# Altium PCB thermal_cam_sensor_jlc.PcbDoc (part 1 of 5) (continued)
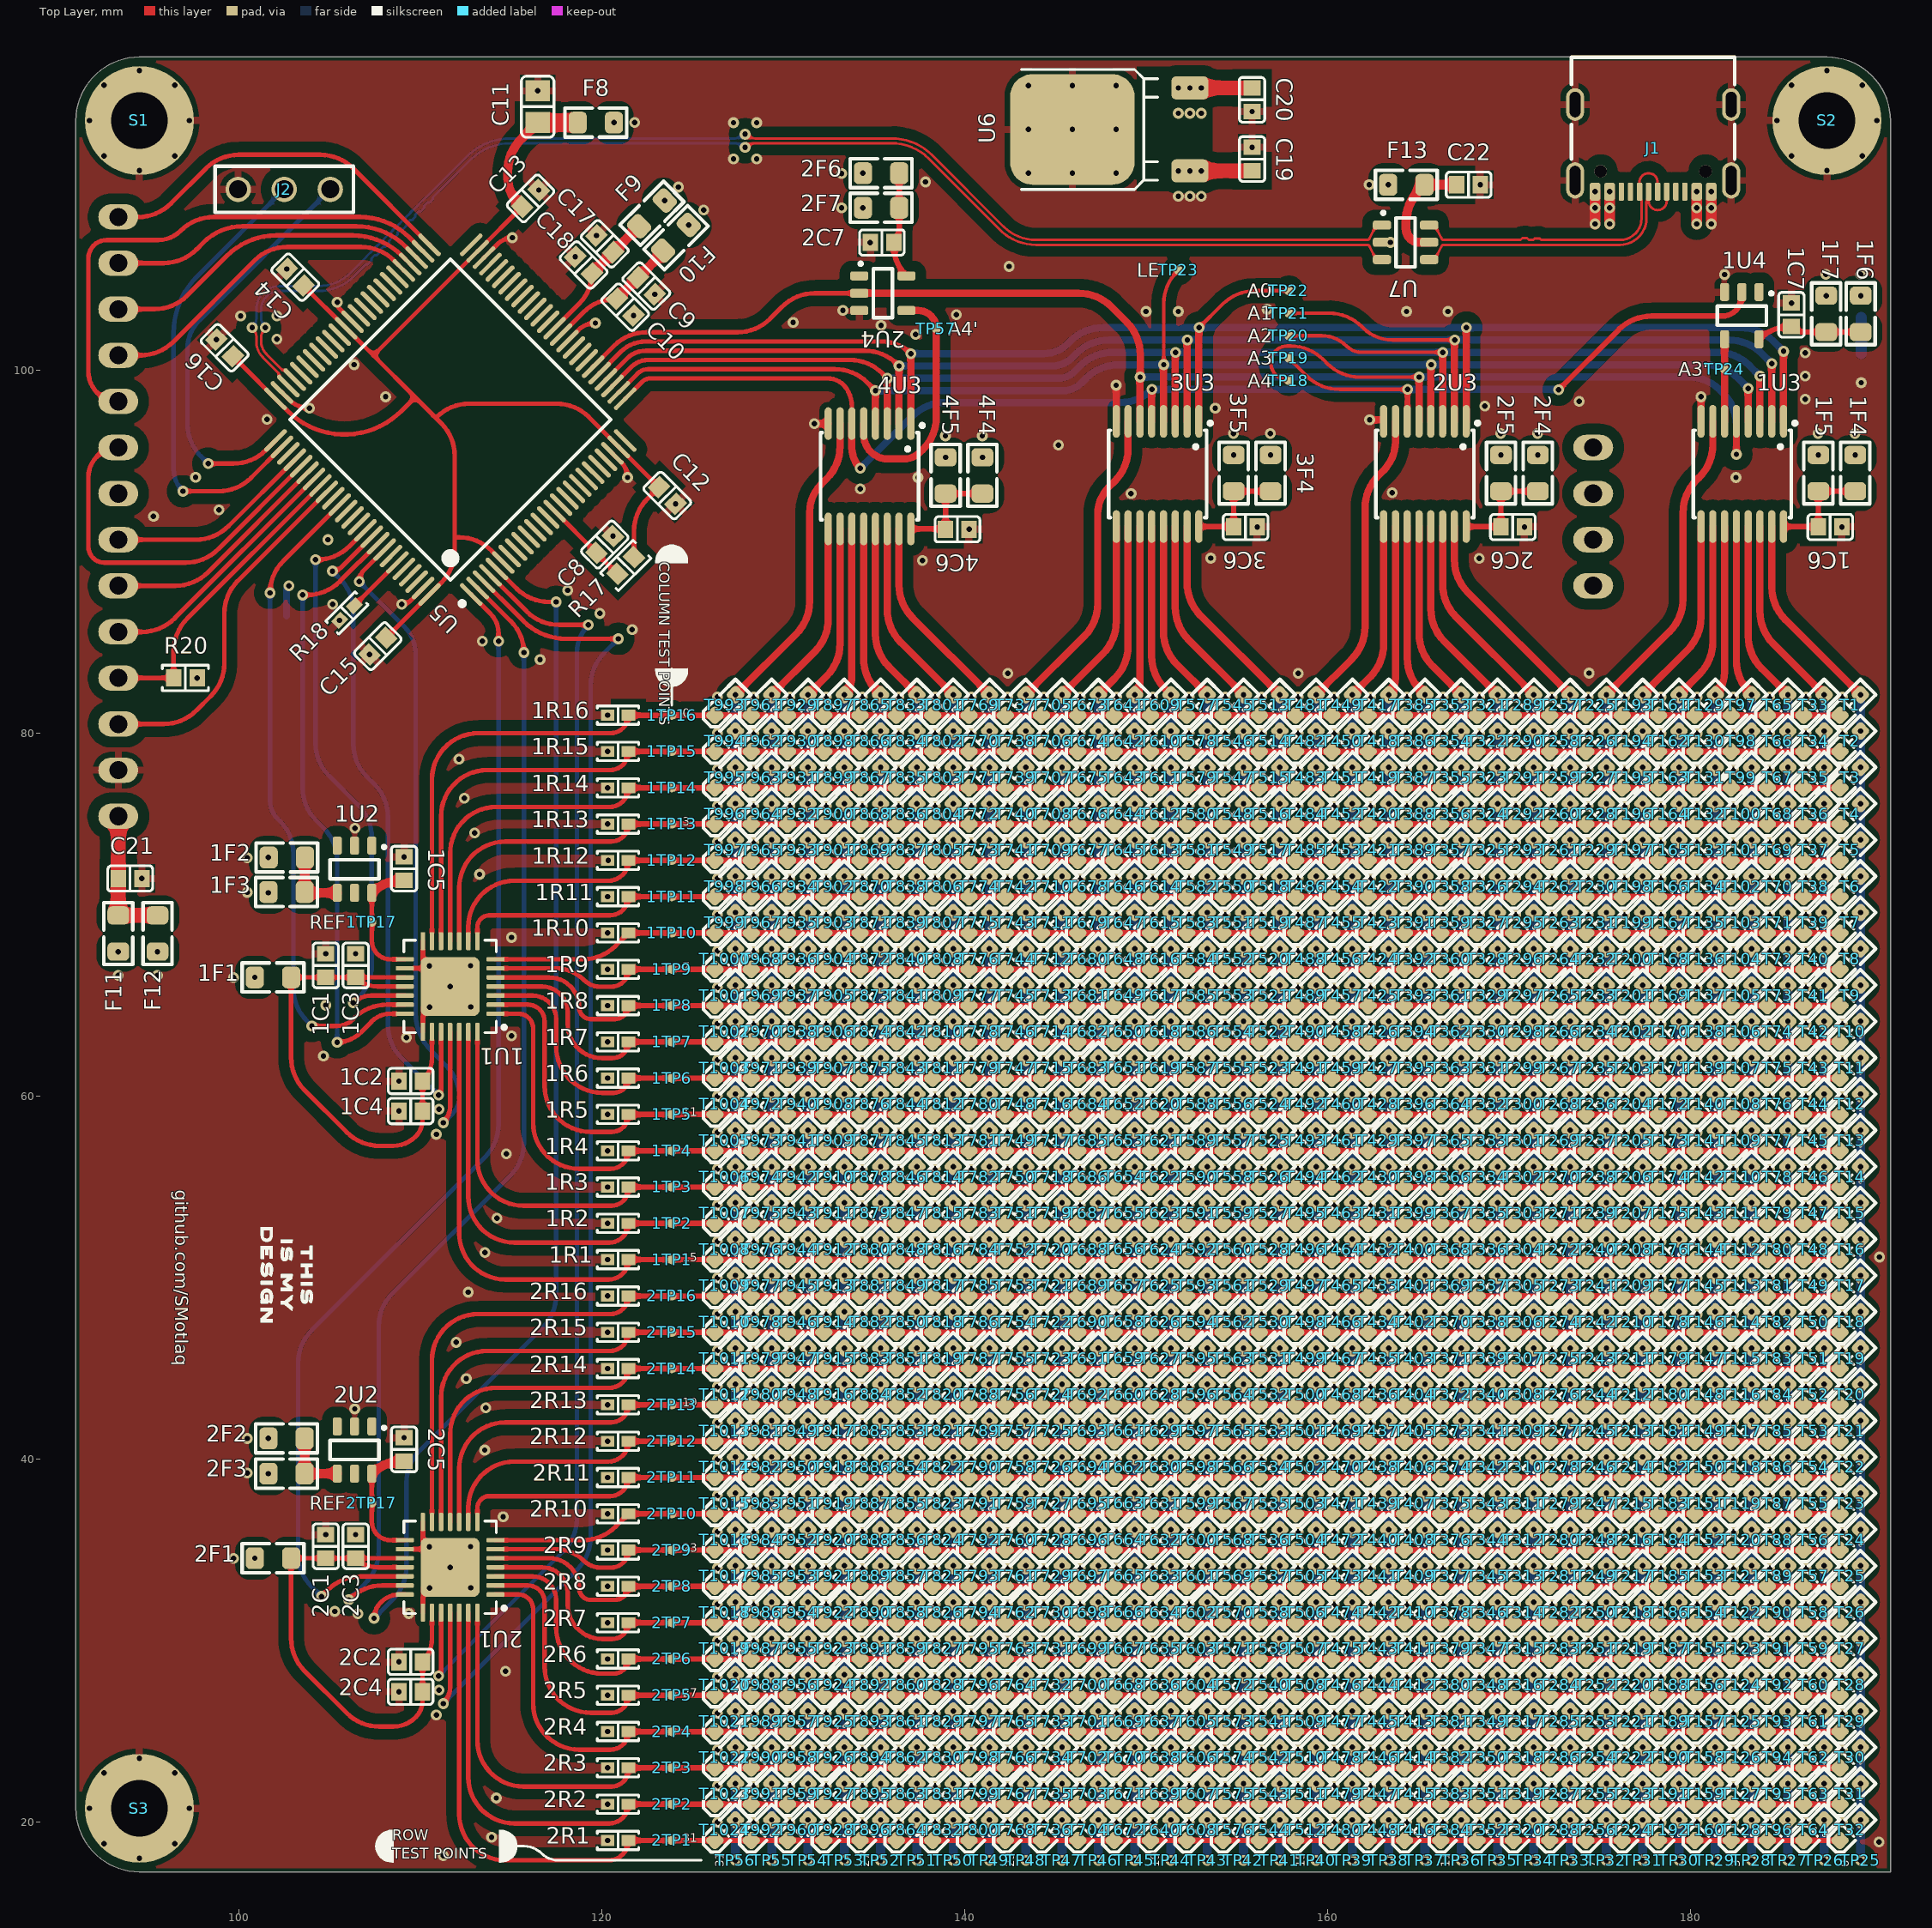
[diagram p0: Top Layer view]
## Components (designator, comment, footprint, x,y, rotation, side; value= is the part's Value field where it differs from the comment) (continued)
1U3 "SN74HCS237PWR" TSSOP-16 182.844,94.298 r270 top (schematic designator U3)
1U4 "SN74AHC1G04DBVR" SOT23-5L 183.769,104.323 r180 top (schematic designator U4)
2C1 "100nF" "CAP 0603_1608" 104.775,35.206 r270 top (schematic designator C1)
2C2 "100nF" "CAP 0603_1608" 109.459,28.841 r0 top (schematic designator C2)
2C3 "10uF" "CAP 0603_1608" 106.426,35.206 r270 top (schematic designator C3)
2C4 "10uF" "CAP 0603_1608" 109.459,27.19 r0 top (schematic designator C4)
2C5 "100nF" "CAP 0603_1608" 109.093,40.544 r270 top (schematic designator C5)
2C6 "100nF" "CAP 0603_1608" 170.195,91.377 r180 top (schematic designator C6)
2C7 "100nF" "CAP 0603_1608" 135.434,107.051 r0 top (schematic designator C7)
2F1 "121@100MHz" Ferrite-0805 101.87,34.556 r0 top (schematic designator F1)
2F2 "121@100MHz" Ferrite-0805 102.616,41.16 r180 top (schematic designator F2)
2F3 "121@100MHz" Ferrite-0805 102.616,39.214 r180 top (schematic designator F3)
2F4 "121@100MHz" Ferrite-0805 171.577,94.345 r270 top (schematic designator F4)
2F5 "121@100MHz" Ferrite-0805 169.545,94.345 r270 top (schematic designator F5)
2F6 "121@100MHz" Ferrite-0805 135.382,110.871 r0 top (schematic designator F6)
2F7 "121@100MHz" Ferrite-0805 135.382,108.966 r0 top (schematic designator F7)
2R1 "162" "RES 0402_1005" 120.887,19.002 r180 top (schematic designator R1)
2R2 "162" "RES 0402_1005" 120.887,21.002 r180 top (schematic designator R2)
2R3 "162" "RES 0402_1005" 120.887,23.002 r180 top (schematic designator R3)
2R4 "162" "RES 0402_1005" 120.887,25.002 r180 top (schematic designator R4)
2R5 "162" "RES 0402_1005" 120.887,27.002 r180 top (schematic designator R5)
2R6 "162" "RES 0402_1005" 120.887,29.002 r180 top (schematic designator R6)
2R7 "162" "RES 0402_1005" 120.887,31.002 r180 top (schematic designator R7)
2R8 "162" "RES 0402_1005" 120.887,33.002 r180 top (schematic designator R8)
2R9 "162" "RES 0402_1005" 120.887,35.002 r0 top (schematic designator R9)
2R10 "162" "RES 0402_1005" 120.887,37.002 r0 top (schematic designator R10)
2R11 "162" "RES 0402_1005" 120.887,39.002 r0 top (schematic designator R11)
2R12 "162" "RES 0402_1005" 120.887,41.002 r0 top (schematic designator R12)
2R13 "162" "RES 0402_1005" 120.887,43.002 r0 top (schematic designator R13)
2R14 "162" "RES 0402_1005" 120.887,45.002 r0 top (schematic designator R14)
2R15 "162" "RES 0402_1005" 120.887,47.002 r0 top (schematic designator R15)
2R16 "162" "RES 0402_1005" 120.887,49.002 r0 top (schematic designator R16)
2TP1 "Test Point" TEST_POINT_0R5#1 123.846,19.002 r180 top (schematic designator TP1)
2TP2 "Test Point" TEST_POINT_0R5#1 123.846,21.002 r180 top (schematic designator TP2)
2TP3 "Test Point" TEST_POINT_0R5#1 123.846,23.002 r180 top (schematic designator TP3)
2TP4 "Test Point" TEST_POINT_0R5#1 123.846,25.002 r180 top (schematic designator TP4)
2TP5 "Test Point" TEST_POINT_0R5#1 123.846,27.002 r180 top (schematic designator TP5)
2TP6 "Test Point" TEST_POINT_0R5#1 123.846,29.002 r180 top (schematic designator TP6)
2TP7 "Test Point" TEST_POINT_0R5#1 123.846,31.002 r180 top (schematic designator TP7)
2TP8 "Test Point" TEST_POINT_0R5#1 123.846,33.002 r180 top (schematic designator TP8)
2TP9 "Test Point" TEST_POINT_0R5#1 123.846,35.002 r180 top (schematic designator TP9)
2TP10 "Test Point" TEST_POINT_0R5#1 123.846,37.002 r180 top (schematic designator TP10)
2TP11 "Test Point" TEST_POINT_0R5#1 123.846,39.002 r180 top (schematic designator TP11)
2TP12 "Test Point" TEST_POINT_0R5#1 123.846,41.002 r180 top (schematic designator TP12)
2TP13 "Test Point" TEST_POINT_0R5#1 123.846,43.002 r180 top (schematic designator TP13)
2TP14 "Test Point" TEST_POINT_0R5#1 123.846,45.002 r180 top (schematic designator TP14)
2TP15 "Test Point" TEST_POINT_0R5#1 123.846,47.002 r180 top (schematic designator TP15)
2TP16 "Test Point" TEST_POINT_0R5#1 123.846,49.002 r180 top (schematic designator TP16)
2TP17 "Test Point" TEST_POINT_0R5#1 107.315,37.592 r0 top (schematic designator TP17)
2U1 "MAX11131ATI+" TQFN-28 111.633,34.052 r180 top (schematic designator U1)
2U2 "REF34xx" SOT23-6L 107.315,41.814 r180 top (schematic designator U2)
2U3 "SN74HCS237PWR" TSSOP-16 165.354,94.298 r270 top (schematic designator U3)
2U4 "SN74AHC1G04DBVR" SOT23-5L 134.179,105.207 r270 top (schematic designator U4)
3C6 "100nF" "CAP 0603_1608" 155.463,91.377 r180 top (schematic designator C6)
3F4 "121@100MHz" Ferrite-0805 156.845,94.345 r270 top (schematic designator F4)
3F5 "121@100MHz" Ferrite-0805 154.813,94.345 r270 top (schematic designator F5)
3U3 "SN74HCS237PWR" TSSOP-16 150.622,94.298 r270 top (schematic designator U3)
4C6 "100nF" "CAP 0603_1608" 139.588,91.25 r180 top (schematic designator C6)
4F4 "121@100MHz" Ferrite-0805 140.97,94.218 r270 top (schematic designator F4)
4F5 "121@100MHz" Ferrite-0805 138.938,94.218 r270 top (schematic designator F5)
4U3 "SN74HCS237PWR" TSSOP-16 134.747,94.171 r270 top (schematic designator U3)
C8 "1uF" "CAP 0603_1608" 120.15,90.412 r225 top
C9 "100nF" "CAP 0603_1608" 122.447,104.66 r135 top
C10 "1uF" "CAP 0603_1608" 121.28,103.493 r135 top
C11 "4.7uF" "CAP 0805_2012" 116.459,114.54 r270 top
C12 "100nF" "CAP 0603_1608" 123.601,93.113 r135 top
C13 "100nF" "CAP 0603_1608" 116.06,109.484 r225 top
C14 "100nF" "CAP 0603_1608" 103.093,105.135 r315 top
C15 "100nF" "CAP 0603_1608" 107.65,84.81 r45 top
C16 "100nF" "CAP 0603_1608" 99.204,101.246 r315 top
C17 "10nF" "CAP 0603_1608" 120.153,106.977 r315 top
C18 "1uF" "CAP 0603_1608" 118.985,105.809 r315 top
C19 "100nF" "CAP 0603_1608" 155.829,111.648 r270 top
C20 "220nF" "CAP 0603_1608" 155.829,114.92 r90 top
C21 "100nF" "CAP 0603_1608" 93.995,72.009 r180 top
C22 "100nF" "CAP 0603_1608" 167.758,110.236 r180 top
F8 "121@100MHz" Ferrite-0805 119.661,113.658 r0 top
F9 "121@100MHz" Ferrite-0805 122.754,108.657 r45 top
F10 "121@100MHz" Ferrite-0805 124.079,107.315 r45 top
F11 "121@100MHz" Ferrite-0805 93.345,68.977 r90 top
F12 "121@100MHz" Ferrite-0805 95.504,68.977 r90 top
F13 "121@100MHz" Ferrite-0805 164.33,110.236 r0 top
J1 "USB4105" USBC_SMD_16_USB4105 177.931,109.855 r0 top
J2 "HDRM3" HDRR_M_1X3 102.489,109.982 r180 top
LCD1 "TFT-LCD-TOUCH" "TFT-2.8\"-NO-SCREWS" 93.345,91.948 r0 bottom locked
LED1 "LED SMD 0603 GREEN" LED_0603_GREEN 189.4,100.129 r270 bottom
R17 "10K" "RES 0603_1608" 121.309,89.253 r45 top
R18 "10K" "RES 0402_1005" 105.944,86.64 r225 top
R19 "10K" "RES 0603_1608" 189.4,103.573 r270 bottom
R20 "10K" "RES 0603_1608" 97.043,83.058 r0 top
S1 "Screw" M3 94.508,113.772 r0 top
S2 "Screw" M3 187.508,113.772 r0 top
S3 "Screw" M3 94.508,20.772 r0 top
T1 "B19H1PT--H9C000214U1930" LED0603W 188.791,81.568 r225 top
T2 "B19H1PT--H9C000214U1930" LED0603W 188.791,79.568 r225 top
T3 "B19H1PT--H9C000214U1930" LED0603W 188.791,77.568 r225 top
T4 "B19H1PT--H9C000214U1930" LED0603W 188.791,75.568 r225 top
T5 "B19H1PT--H9C000214U1930" LED0603W 188.791,73.568 r225 top
T6 "B19H1PT--H9C000214U1930" LED0603W 188.791,71.568 r225 top
T7 "B19H1PT--H9C000214U1930" LED0603W 188.791,69.568 r225 top
T8 "B19H1PT--H9C000214U1930" LED0603W 188.791,67.568 r225 top
T9 "B19H1PT--H9C000214U1930" LED0603W 188.791,65.568 r225 top
T10 "B19H1PT--H9C000214U1930" LED0603W 188.791,63.568 r225 top
T11 "B19H1PT--H9C000214U1930" LED0603W 188.791,61.568 r225 top
T12 "B19H1PT--H9C000214U1930" LED0603W 188.791,59.568 r225 top
T13 "B19H1PT--H9C000214U1930" LED0603W 188.791,57.568 r225 top
T14 "B19H1PT--H9C000214U1930" LED0603W 188.791,55.568 r225 top
T15 "B19H1PT--H9C000214U1930" LED0603W 188.791,53.568 r225 top
T16 "B19H1PT--H9C000214U1930" LED0603W 188.791,51.568 r225 top
T17 "B19H1PT--H9C000214U1930" LED0603W 188.791,49.568 r225 top
T18 "B19H1PT--H9C000214U1930" LED0603W 188.791,47.568 r225 top
T19 "B19H1PT--H9C000214U1930" LED0603W 188.791,45.568 r225 top
T20 "B19H1PT--H9C000214U1930" LED0603W 188.791,43.568 r225 top
T21 "B19H1PT--H9C000214U1930" LED0603W 188.791,41.568 r225 top
T22 "B19H1PT--H9C000214U1930" LED0603W 188.791,39.568 r225 top
T23 "B19H1PT--H9C000214U1930" LED0603W 188.791,37.568 r225 top
T24 "B19H1PT--H9C000214U1930" LED0603W 188.791,35.568 r225 top
T25 "B19H1PT--H9C000214U1930" LED0603W 188.791,33.568 r225 top
T26 "B19H1PT--H9C000214U1930" LED0603W 188.791,31.568 r225 top
T27 "B19H1PT--H9C000214U1930" LED0603W 188.791,29.568 r225 top
T28 "B19H1PT--H9C000214U1930" LED0603W 188.791,27.568 r225 top
T29 "B19H1PT--H9C000214U1930" LED0603W 188.791,25.568 r225 top
T30 "B19H1PT--H9C000214U1930" LED0603W 188.791,23.568 r225 top
T31 "B19H1PT--H9C000214U1930" LED0603W 188.791,21.568 r225 top
T32 "B19H1PT--H9C000214U1930" LED0603W 188.791,19.568 r225 top
T33 "B19H1PT--H9C000214U1930" LED0603W 186.791,81.568 r225 top
T34 "B19H1PT--H9C000214U1930" LED0603W 186.791,79.568 r225 top
T35 "B19H1PT--H9C000214U1930" LED0603W 186.791,77.568 r225 top
T36 "B19H1PT--H9C000214U1930" LED0603W 186.791,75.568 r225 top
T37 "B19H1PT--H9C000214U1930" LED0603W 186.791,73.568 r225 top
T38 "B19H1PT--H9C000214U1930" LED0603W 186.791,71.568 r225 top
T39 "B19H1PT--H9C000214U1930" LED0603W 186.791,69.568 r225 top
T40 "B19H1PT--H9C000214U1930" LED0603W 186.791,67.568 r225 top
T41 "B19H1PT--H9C000214U1930" LED0603W 186.791,65.568 r225 top
T42 "B19H1PT--H9C000214U1930" LED0603W 186.791,63.568 r225 top
T43 "B19H1PT--H9C000214U1930" LED0603W 186.791,61.568 r225 top
T44 "B19H1PT--H9C000214U1930" LED0603W 186.791,59.568 r225 top
T45 "B19H1PT--H9C000214U1930" LED0603W 186.791,57.568 r225 top
T46 "B19H1PT--H9C000214U1930" LED0603W 186.791,55.568 r225 top
T47 "B19H1PT--H9C000214U1930" LED0603W 186.791,53.568 r225 top
T48 "B19H1PT--H9C000214U1930" LED0603W 186.791,51.568 r225 top
T49 "B19H1PT--H9C000214U1930" LED0603W 186.791,49.568 r225 top
T50 "B19H1PT--H9C000214U1930" LED0603W 186.791,47.568 r225 top
T51 "B19H1PT--H9C000214U1930" LED0603W 186.791,45.568 r225 top
T52 "B19H1PT--H9C000214U1930" LED0603W 186.791,43.568 r225 top
T53 "B19H1PT--H9C000214U1930" LED0603W 186.791,41.568 r225 top
T54 "B19H1PT--H9C000214U1930" LED0603W 186.791,39.568 r225 top
T55 "B19H1PT--H9C000214U1930" LED0603W 186.791,37.568 r225 top
T56 "B19H1PT--H9C000214U1930" LED0603W 186.791,35.568 r225 top
T57 "B19H1PT--H9C000214U1930" LED0603W 186.791,33.568 r225 top
T58 "B19H1PT--H9C000214U1930" LED0603W 186.791,31.568 r225 top
T59 "B19H1PT--H9C000214U1930" LED0603W 186.791,29.568 r225 top
T60 "B19H1PT--H9C000214U1930" LED0603W 186.791,27.568 r225 top
T61 "B19H1PT--H9C000214U1930" LED0603W 186.791,25.568 r225 top
T62 "B19H1PT--H9C000214U1930" LED0603W 186.791,23.568 r225 top
T63 "B19H1PT--H9C000214U1930" LED0603W 186.791,21.568 r225 top
T64 "B19H1PT--H9C000214U1930" LED0603W 186.791,19.568 r225 top
T65 "B19H1PT--H9C000214U1930" LED0603W 184.791,81.568 r225 top
T66 "B19H1PT--H9C000214U1930" LED0603W 184.791,79.568 r225 top
T67 "B19H1PT--H9C000214U1930" LED0603W 184.791,77.568 r225 top
T68 "B19H1PT--H9C000214U1930" LED0603W 184.791,75.568 r225 top
T69 "B19H1PT--H9C000214U1930" LED0603W 184.791,73.568 r225 top
T70 "B19H1PT--H9C000214U1930" LED0603W 184.791,71.568 r225 top
T71 "B19H1PT--H9C000214U1930" LED0603W 184.791,69.568 r225 top
T72 "B19H1PT--H9C000214U1930" LED0603W 184.791,67.568 r225 top
T73 "B19H1PT--H9C000214U1930" LED0603W 184.791,65.568 r225 top
T74 "B19H1PT--H9C000214U1930" LED0603W 184.791,63.568 r225 top
T75 "B19H1PT--H9C000214U1930" LED0603W 184.791,61.568 r225 top
T76 "B19H1PT--H9C000214U1930" LED0603W 184.791,59.568 r225 top
T77 "B19H1PT--H9C000214U1930" LED0603W 184.791,57.568 r225 top
T78 "B19H1PT--H9C000214U1930" LED0603W 184.791,55.568 r225 top
T79 "B19H1PT--H9C000214U1930" LED0603W 184.791,53.568 r225 top
T80 "B19H1PT--H9C000214U1930" LED0603W 184.791,51.568 r225 top
T81 "B19H1PT--H9C000214U1930" LED0603W 184.791,49.568 r225 top
T82 "B19H1PT--H9C000214U1930" LED0603W 184.791,47.568 r225 top
T83 "B19H1PT--H9C000214U1930" LED0603W 184.791,45.568 r225 top
T84 "B19H1PT--H9C000214U1930" LED0603W 184.791,43.568 r225 top
T85 "B19H1PT--H9C000214U1930" LED0603W 184.791,41.568 r225 top
T86 "B19H1PT--H9C000214U1930" LED0603W 184.791,39.568 r225 top
T87 "B19H1PT--H9C000214U1930" LED0603W 184.791,37.568 r225 top
T88 "B19H1PT--H9C000214U1930" LED0603W 184.791,35.568 r225 top
T89 "B19H1PT--H9C000214U1930" LED0603W 184.791,33.568 r225 top
T90 "B19H1PT--H9C000214U1930" LED0603W 184.791,31.568 r225 top
T91 "B19H1PT--H9C000214U1930" LED0603W 184.791,29.568 r225 top
T92 "B19H1PT--H9C000214U1930" LED0603W 184.791,27.568 r225 top
T93 "B19H1PT--H9C000214U1930" LED0603W 184.791,25.568 r225 top
T94 "B19H1PT--H9C000214U1930" LED0603W 184.791,23.568 r225 top
T95 "B19H1PT--H9C000214U1930" LED0603W 184.791,21.568 r225 top
T96 "B19H1PT--H9C000214U1930" LED0603W 184.791,19.568 r225 top
T97 "B19H1PT--H9C000214U1930" LED0603W 182.791,81.568 r225 top
T98 "B19H1PT--H9C000214U1930" LED0603W 182.791,79.568 r225 top
T99 "B19H1PT--H9C000214U1930" LED0603W 182.791,77.568 r225 top
T100 "B19H1PT--H9C000214U1930" LED0603W 182.791,75.568 r225 top
T101 "B19H1PT--H9C000214U1930" LED0603W 182.791,73.568 r225 top
T102 "B19H1PT--H9C000214U1930" LED0603W 182.791,71.568 r225 top
T103 "B19H1PT--H9C000214U1930" LED0603W 182.791,69.568 r225 top
T104 "B19H1PT--H9C000214U1930" LED0603W 182.791,67.568 r225 top
T105 "B19H1PT--H9C000214U1930" LED0603W 182.791,65.568 r225 top
T106 "B19H1PT--H9C000214U1930" LED0603W 182.791,63.568 r225 top
T107 "B19H1PT--H9C000214U1930" LED0603W 182.791,61.568 r225 top
T108 "B19H1PT--H9C000214U1930" LED0603W 182.791,59.568 r225 top
T109 "B19H1PT--H9C000214U1930" LED0603W 182.791,57.568 r225 top
T110 "B19H1PT--H9C000214U1930" LED0603W 182.791,55.568 r225 top
T111 "B19H1PT--H9C000214U1930" LED0603W 182.791,53.568 r225 top
T112 "B19H1PT--H9C000214U1930" LED0603W 182.791,51.568 r225 top
T113 "B19H1PT--H9C000214U1930" LED0603W 182.791,49.568 r225 top
T114 "B19H1PT--H9C000214U1930" LED0603W 182.791,47.568 r225 top
T115 "B19H1PT--H9C000214U1930" LED0603W 182.791,45.568 r225 top
T116 "B19H1PT--H9C000214U1930" LED0603W 182.791,43.568 r225 top
T117 "B19H1PT--H9C000214U1930" LED0603W 182.791,41.568 r225 top
T118 "B19H1PT--H9C000214U1930" LED0603W 182.791,39.568 r225 top
T119 "B19H1PT--H9C000214U1930" LED0603W 182.791,37.568 r225 top
T120 "B19H1PT--H9C000214U1930" LED0603W 182.791,35.568 r225 top
T121 "B19H1PT--H9C000214U1930" LED0603W 182.791,33.568 r225 top
T122 "B19H1PT--H9C000214U1930" LED0603W 182.791,31.568 r225 top
T123 "B19H1PT--H9C000214U1930" LED0603W 182.791,29.568 r225 top
T124 "B19H1PT--H9C000214U1930" LED0603W 182.791,27.568 r225 top
T125 "B19H1PT--H9C000214U1930" LED0603W 182.791,25.568 r225 top
T126 "B19H1PT--H9C000214U1930" LED0603W 182.791,23.568 r225 top
T127 "B19H1PT--H9C000214U1930" LED0603W 182.791,21.568 r225 top
T128 "B19H1PT--H9C000214U1930" LED0603W 182.791,19.568 r225 top
T129 "B19H1PT--H9C000214U1930" LED0603W 180.791,81.568 r225 top
T130 "B19H1PT--H9C000214U1930" LED0603W 180.791,79.568 r225 top
T131 "B19H1PT--H9C000214U1930" LED0603W 180.791,77.568 r225 top
T132 "B19H1PT--H9C000214U1930" LED0603W 180.791,75.568 r225 top
T133 "B19H1PT--H9C000214U1930" LED0603W 180.791,73.568 r225 top
T134 "B19H1PT--H9C000214U1930" LED0603W 180.791,71.568 r225 top
T135 "B19H1PT--H9C000214U1930" LED0603W 180.791,69.568 r225 top
T136 "B19H1PT--H9C000214U1930" LED0603W 180.791,67.568 r225 top
T137 "B19H1PT--H9C000214U1930" LED0603W 180.791,65.568 r225 top
T138 "B19H1PT--H9C000214U1930" LED0603W 180.791,63.568 r225 top
T139 "B19H1PT--H9C000214U1930" LED0603W 180.791,61.568 r225 top
T140 "B19H1PT--H9C000214U1930" LED0603W 180.791,59.568 r225 top
T141 "B19H1PT--H9C000214U1930" LED0603W 180.791,57.568 r225 top
T142 "B19H1PT--H9C000214U1930" LED0603W 180.791,55.568 r225 top
T143 "B19H1PT--H9C000214U1930" LED0603W 180.791,53.568 r225 top
T144 "B19H1PT--H9C000214U1930" LED0603W 180.791,51.568 r225 top
T145 "B19H1PT--H9C000214U1930" LED0603W 180.791,49.568 r225 top
T146 "B19H1PT--H9C000214U1930" LED0603W 180.791,47.568 r225 top
T147 "B19H1PT--H9C000214U1930" LED0603W 180.791,45.568 r225 top
T148 "B19H1PT--H9C000214U1930" LED0603W 180.791,43.568 r225 top
T149 "B19H1PT--H9C000214U1930" LED0603W 180.791,41.568 r225 top
T150 "B19H1PT--H9C000214U1930" LED0603W 180.791,39.568 r225 top
T151 "B19H1PT--H9C000214U1930" LED0603W 180.791,37.568 r225 top
T152 "B19H1PT--H9C000214U1930" LED0603W 180.791,35.568 r225 top
T153 "B19H1PT--H9C000214U1930" LED0603W 180.791,33.568 r225 top
T154 "B19H1PT--H9C000214U1930" LED0603W 180.791,31.568 r225 top
T155 "B19H1PT--H9C000214U1930" LED0603W 180.791,29.568 r225 top
T156 "B19H1PT--H9C000214U1930" LED0603W 180.791,27.568 r225 top
T157 "B19H1PT--H9C000214U1930" LED0603W 180.791,25.568 r225 top
T158 "B19H1PT--H9C000214U1930" LED0603W 180.791,23.568 r225 top
T159 "B19H1PT--H9C000214U1930" LED0603W 180.791,21.568 r225 top
T160 "B19H1PT--H9C000214U1930" LED0603W 180.791,19.568 r225 top
T161 "B19H1PT--H9C000214U1930" LED0603W 178.791,81.568 r225 top
T162 "B19H1PT--H9C000214U1930" LED0603W 178.791,79.568 r225 top
T163 "B19H1PT--H9C000214U1930" LED0603W 178.791,77.568 r225 top
T164 "B19H1PT--H9C000214U1930" LED0603W 178.791,75.568 r225 top
T165 "B19H1PT--H9C000214U1930" LED0603W 178.791,73.568 r225 top
T166 "B19H1PT--H9C000214U1930" LED0603W 178.791,71.568 r225 top
T167 "B19H1PT--H9C000214U1930" LED0603W 178.791,69.568 r225 top
T168 "B19H1PT--H9C000214U1930" LED0603W 178.791,67.568 r225 top
T169 "B19H1PT--H9C000214U1930" LED0603W 178.791,65.568 r225 top
T170 "B19H1PT--H9C000214U1930" LED0603W 178.791,63.568 r225 top
T171 "B19H1PT--H9C000214U1930" LED0603W 178.791,61.568 r225 top
T172 "B19H1PT--H9C000214U1930" LED0603W 178.791,59.568 r225 top
T173 "B19H1PT--H9C000214U1930" LED0603W 178.791,57.568 r225 top
T174 "B19H1PT--H9C000214U1930" LED0603W 178.791,55.568 r225 top
T175 "B19H1PT--H9C000214U1930" LED0603W 178.791,53.568 r225 top
T176 "B19H1PT--H9C000214U1930" LED0603W 178.791,51.568 r225 top
T177 "B19H1PT--H9C000214U1930" LED0603W 178.791,49.568 r225 top
T178 "B19H1PT--H9C000214U1930" LED0603W 178.791,47.568 r225 top
T179 "B19H1PT--H9C000214U1930" LED0603W 178.791,45.568 r225 top
T180 "B19H1PT--H9C000214U1930" LED0603W 178.791,43.568 r225 top
T181 "B19H1PT--H9C000214U1930" LED0603W 178.791,41.568 r225 top
T182 "B19H1PT--H9C000214U1930" LED0603W 178.791,39.568 r225 top
T183 "B19H1PT--H9C000214U1930" LED0603W 178.791,37.568 r225 top
T184 "B19H1PT--H9C000214U1930" LED0603W 178.791,35.568 r225 top
T185 "B19H1PT--H9C000214U1930" LED0603W 178.791,33.568 r225 top
T186 "B19H1PT--H9C000214U1930" LED0603W 178.791,31.568 r225 top
T187 "B19H1PT--H9C000214U1930" LED0603W 178.791,29.568 r225 top
T188 "B19H1PT--H9C000214U1930" LED0603W 178.791,27.568 r225 top
T189 "B19H1PT--H9C000214U1930" LED0603W 178.791,25.568 r225 top
T190 "B19H1PT--H9C000214U1930" LED0603W 178.791,23.568 r225 top
T191 "B19H1PT--H9C000214U1930" LED0603W 178.791,21.568 r225 top
T192 "B19H1PT--H9C000214U1930" LED0603W 178.791,19.568 r225 top
T193 "B19H1PT--H9C000214U1930" LED0603W 176.791,81.568 r225 top
T194 "B19H1PT--H9C000214U1930" LED0603W 176.791,79.568 r225 top
T195 "B19H1PT--H9C000214U1930" LED0603W 176.791,77.568 r225 top
T196 "B19H1PT--H9C000214U1930" LED0603W 176.791,75.568 r225 top
T197 "B19H1PT--H9C000214U1930" LED0603W 176.791,73.568 r225 top
T198 "B19H1PT--H9C000214U1930" LED0603W 176.791,71.568 r225 top
T199 "B19H1PT--H9C000214U1930" LED0603W 176.791,69.568 r225 top
T200 "B19H1PT--H9C000214U1930" LED0603W 176.791,67.568 r225 top
T201 "B19H1PT--H9C000214U1930" LED0603W 176.791,65.568 r225 top
T202 "B19H1PT--H9C000214U1930" LED0603W 176.791,63.568 r225 top
T203 "B19H1PT--H9C000214U1930" LED0603W 176.791,61.568 r225 top
T204 "B19H1PT--H9C000214U1930" LED0603W 176.791,59.568 r225 top
T205 "B19H1PT--H9C000214U1930" LED0603W 176.791,57.568 r225 top
T206 "B19H1PT--H9C000214U1930" LED0603W 176.791,55.568 r225 top
T207 "B19H1PT--H9C000214U1930" LED0603W 176.791,53.568 r225 top
T208 "B19H1PT--H9C000214U1930" LED0603W 176.791,51.568 r225 top
T209 "B19H1PT--H9C000214U1930" LED0603W 176.791,49.568 r225 top
T210 "B19H1PT--H9C000214U1930" LED0603W 176.791,47.568 r225 top
T211 "B19H1PT--H9C000214U1930" LED0603W 176.791,45.568 r225 top
T212 "B19H1PT--H9C000214U1930" LED0603W 176.791,43.568 r225 top
T213 "B19H1PT--H9C000214U1930" LED0603W 176.791,41.568 r225 top
T214 "B19H1PT--H9C000214U1930" LED0603W 176.791,39.568 r225 top
T215 "B19H1PT--H9C000214U1930" LED0603W 176.791,37.568 r225 top
T216 "B19H1PT--H9C000214U1930" LED0603W 176.791,35.568 r225 top
T217 "B19H1PT--H9C000214U1930" LED0603W 176.791,33.568 r225 top
T218 "B19H1PT--H9C000214U1930" LED0603W 176.791,31.568 r225 top
T219 "B19H1PT--H9C000214U1930" LED0603W 176.791,29.568 r225 top
T220 "B19H1PT--H9C000214U1930" LED0603W 176.791,27.568 r225 top
T221 "B19H1PT--H9C000214U1930" LED0603W 176.791,25.568 r225 top
T222 "B19H1PT--H9C000214U1930" LED0603W 176.791,23.568 r225 top
T223 "B19H1PT--H9C000214U1930" LED0603W 176.791,21.568 r225 top
T224 "B19H1PT--H9C000214U1930" LED0603W 176.791,19.568 r225 top
T225 "B19H1PT--H9C000214U1930" LED0603W 174.791,81.568 r225 top
T226 "B19H1PT--H9C000214U1930" LED0603W 174.791,79.568 r225 top
T227 "B19H1PT--H9C000214U1930" LED0603W 174.791,77.568 r225 top
T228 "B19H1PT--H9C000214U1930" LED0603W 174.791,75.568 r225 top
T229 "B19H1PT--H9C000214U1930" LED0603W 174.791,73.568 r225 top
T230 "B19H1PT--H9C000214U1930" LED0603W 174.791,71.568 r225 top
T231 "B19H1PT--H9C000214U1930" LED0603W 174.791,69.568 r225 top
T232 "B19H1PT--H9C000214U1930" LED0603W 174.791,67.568 r225 top
T233 "B19H1PT--H9C000214U1930" LED0603W 174.791,65.568 r225 top
T234 "B19H1PT--H9C000214U1930" LED0603W 174.791,63.568 r225 top
T235 "B19H1PT--H9C000214U1930" LED0603W 174.791,61.568 r225 top
T236 "B19H1PT--H9C000214U1930" LED0603W 174.791,59.568 r225 top
T237 "B19H1PT--H9C000214U1930" LED0603W 174.791,57.568 r225 top
T238 "B19H1PT--H9C000214U1930" LED0603W 174.791,55.568 r225 top
T239 "B19H1PT--H9C000214U1930" LED0603W 174.791,53.568 r225 top
T240 "B19H1PT--H9C000214U1930" LED0603W 174.791,51.568 r225 top
T241 "B19H1PT--H9C000214U1930" LED0603W 174.791,49.568 r225 top
T242 "B19H1PT--H9C000214U1930" LED0603W 174.791,47.568 r225 top
T243 "B19H1PT--H9C000214U1930" LED0603W 174.791,45.568 r225 top
T244 "B19H1PT--H9C000214U1930" LED0603W 174.791,43.568 r225 top
T245 "B19H1PT--H9C000214U1930" LED0603W 174.791,41.568 r225 top
T246 "B19H1PT--H9C000214U1930" LED0603W 174.791,39.568 r225 top
T247 "B19H1PT--H9C000214U1930" LED0603W 174.791,37.568 r225 top
T248 "B19H1PT--H9C000214U1930" LED0603W 174.791,35.568 r225 top
T249 "B19H1PT--H9C000214U1930" LED0603W 174.791,33.568 r225 top
T250 "B19H1PT--H9C000214U1930" LED0603W 174.791,31.568 r225 top
T251 "B19H1PT--H9C000214U1930" LED0603W 174.791,29.568 r225 top
T252 "B19H1PT--H9C000214U1930" LED0603W 174.791,27.568 r225 top
T253 "B19H1PT--H9C000214U1930" LED0603W 174.791,25.568 r225 top
T254 "B19H1PT--H9C000214U1930" LED0603W 174.791,23.568 r225 top
T255 "B19H1PT--H9C000214U1930" LED0603W 174.791,21.568 r225 top
T256 "B19H1PT--H9C000214U1930" LED0603W 174.791,19.568 r225 top
T257 "B19H1PT--H9C000214U1930" LED0603W 172.791,81.568 r225 top
T258 "B19H1PT--H9C000214U1930" LED0603W 172.791,79.568 r225 top
T259 "B19H1PT--H9C000214U1930" LED0603W 172.791,77.568 r225 top
T260 "B19H1PT--H9C000214U1930" LED0603W 172.791,75.568 r225 top
T261 "B19H1PT--H9C000214U1930" LED0603W 172.791,73.568 r225 top
T262 "B19H1PT--H9C000214U1930" LED0603W 172.791,71.568 r225 top
T263 "B19H1PT--H9C000214U1930" LED0603W 172.791,69.568 r225 top
T264 "B19H1PT--H9C000214U1930" LED0603W 172.791,67.568 r225 top
T265 "B19H1PT--H9C000214U1930" LED0603W 172.791,65.568 r225 top
T266 "B19H1PT--H9C000214U1930" LED0603W 172.791,63.568 r225 top
T267 "B19H1PT--H9C000214U1930" LED0603W 172.791,61.568 r225 top
T268 "B19H1PT--H9C000214U1930" LED0603W 172.791,59.568 r225 top
T269 "B19H1PT--H9C000214U1930" LED0603W 172.791,57.568 r225 top
T270 "B19H1PT--H9C000214U1930" LED0603W 172.791,55.568 r225 top
T271 "B19H1PT--H9C000214U1930" LED0603W 172.791,53.568 r225 top
T272 "B19H1PT--H9C000214U1930" LED0603W 172.791,51.568 r225 top
T273 "B19H1PT--H9C000214U1930" LED0603W 172.791,49.568 r225 top
T274 "B19H1PT--H9C000214U1930" LED0603W 172.791,47.568 r225 top
T275 "B19H1PT--H9C000214U1930" LED0603W 172.791,45.568 r225 top
T276 "B19H1PT--H9C000214U1930" LED0603W 172.791,43.568 r225 top
T277 "B19H1PT--H9C000214U1930" LED0603W 172.791,41.568 r225 top
T278 "B19H1PT--H9C000214U1930" LED0603W 172.791,39.568 r225 top
T279 "B19H1PT--H9C000214U1930" LED0603W 172.791,37.568 r225 top
T280 "B19H1PT--H9C000214U1930" LED0603W 172.791,35.568 r225 top
T281 "B19H1PT--H9C000214U1930" LED0603W 172.791,33.568 r225 top
T282 "B19H1PT--H9C000214U1930" LED0603W 172.791,31.568 r225 top
T283 "B19H1PT--H9C000214U1930" LED0603W 172.791,29.568 r225 top
T284 "B19H1PT--H9C000214U1930" LED0603W 172.791,27.568 r225 top
T285 "B19H1PT--H9C000214U1930" LED0603W 172.791,25.568 r225 top
T286 "B19H1PT--H9C000214U1930" LED0603W 172.791,23.568 r225 top
T287 "B19H1PT--H9C000214U1930" LED0603W 172.791,21.568 r225 top
T288 "B19H1PT--H9C000214U1930" LED0603W 172.791,19.568 r225 top
T289 "B19H1PT--H9C000214U1930" LED0603W 170.791,81.568 r225 top
T290 "B19H1PT--H9C000214U1930" LED0603W 170.791,79.568 r225 top
T291 "B19H1PT--H9C000214U1930" LED0603W 170.791,77.568 r225 top
T292 "B19H1PT--H9C000214U1930" LED0603W 170.791,75.568 r225 top
T293 "B19H1PT--H9C000214U1930" LED0603W 170.791,73.568 r225 top
T294 "B19H1PT--H9C000214U1930" LED0603W 170.791,71.568 r225 top
T295 "B19H1PT--H9C000214U1930" LED0603W 170.791,69.568 r225 top
T296 "B19H1PT--H9C000214U1930" LED0603W 170.791,67.568 r225 top
T297 "B19H1PT--H9C000214U1930" LED0603W 170.791,65.568 r225 top
T298 "B19H1PT--H9C000214U1930" LED0603W 170.791,63.568 r225 top
T299 "B19H1PT--H9C000214U1930" LED0603W 170.791,61.568 r225 top
T300 "B19H1PT--H9C000214U1930" LED0603W 170.791,59.568 r225 top
T301 "B19H1PT--H9C000214U1930" LED0603W 170.791,57.568 r225 top
T302 "B19H1PT--H9C000214U1930" LED0603W 170.791,55.568 r225 top
T303 "B19H1PT--H9C000214U1930" LED0603W 170.791,53.568 r225 top
T304 "B19H1PT--H9C000214U1930" LED0603W 170.791,51.568 r225 top
T305 "B19H1PT--H9C000214U1930" LED0603W 170.791,49.568 r225 top
T306 "B19H1PT--H9C000214U1930" LED0603W 170.791,47.568 r225 top
T307 "B19H1PT--H9C000214U1930" LED0603W 170.791,45.568 r225 top
T308 "B19H1PT--H9C000214U1930" LED0603W 170.791,43.568 r225 top
T309 "B19H1PT--H9C000214U1930" LED0603W 170.791,41.568 r225 top
T310 "B19H1PT--H9C000214U1930" LED0603W 170.791,39.568 r225 top
T311 "B19H1PT--H9C000214U1930" LED0603W 170.791,37.568 r225 top
T312 "B19H1PT--H9C000214U1930" LED0603W 170.791,35.568 r225 top
T313 "B19H1PT--H9C000214U1930" LED0603W 170.791,33.568 r225 top
T314 "B19H1PT--H9C000214U1930" LED0603W 170.791,31.568 r225 top
T315 "B19H1PT--H9C000214U1930" LED0603W 170.791,29.568 r225 top
T316 "B19H1PT--H9C000214U1930" LED0603W 170.791,27.568 r225 top
T317 "B19H1PT--H9C000214U1930" LED0603W 170.791,25.568 r225 top
T318 "B19H1PT--H9C000214U1930" LED0603W 170.791,23.568 r225 top
T319 "B19H1PT--H9C000214U1930" LED0603W 170.791,21.568 r225 top
T320 "B19H1PT--H9C000214U1930" LED0603W 170.791,19.568 r225 top
T321 "B19H1PT--H9C000214U1930" LED0603W 168.791,81.568 r225 top
T322 "B19H1PT--H9C000214U1930" LED0603W 168.791,79.568 r225 top
T323 "B19H1PT--H9C000214U1930" LED0603W 168.791,77.568 r225 top
T324 "B19H1PT--H9C000214U1930" LED0603W 168.791,75.568 r225 top
T325 "B19H1PT--H9C000214U1930" LED0603W 168.791,73.568 r225 top
T326 "B19H1PT--H9C000214U1930" LED0603W 168.791,71.568 r225 top
T327 "B19H1PT--H9C000214U1930" LED0603W 168.791,69.568 r225 top
T328 "B19H1PT--H9C000214U1930" LED0603W 168.791,67.568 r225 top
T329 "B19H1PT--H9C000214U1930" LED0603W 168.791,65.568 r225 top
T330 "B19H1PT--H9C000214U1930" LED0603W 168.791,63.568 r225 top
T331 "B19H1PT--H9C000214U1930" LED0603W 168.791,61.568 r225 top
T332 "B19H1PT--H9C000214U1930" LED0603W 168.791,59.568 r225 top
T333 "B19H1PT--H9C000214U1930" LED0603W 168.791,57.568 r225 top
T334 "B19H1PT--H9C000214U1930" LED0603W 168.791,55.568 r225 top
T335 "B19H1PT--H9C000214U1930" LED0603W 168.791,53.568 r225 top
T336 "B19H1PT--H9C000214U1930" LED0603W 168.791,51.568 r225 top
T337 "B19H1PT--H9C000214U1930" LED0603W 168.791,49.568 r225 top
T338 "B19H1PT--H9C000214U1930" LED0603W 168.791,47.568 r225 top
T339 "B19H1PT--H9C000214U1930" LED0603W 168.791,45.568 r225 top
T340 "B19H1PT--H9C000214U1930" LED0603W 168.791,43.568 r225 top
T341 "B19H1PT--H9C000214U1930" LED0603W 168.791,41.568 r225 top
T342 "B19H1PT--H9C000214U1930" LED0603W 168.791,39.568 r225 top
T343 "B19H1PT--H9C000214U1930" LED0603W 168.791,37.568 r225 top
T344 "B19H1PT--H9C000214U1930" LED0603W 168.791,35.568 r225 top
T345 "B19H1PT--H9C000214U1930" LED0603W 168.791,33.568 r225 top
T346 "B19H1PT--H9C000214U1930" LED0603W 168.791,31.568 r225 top
T347 "B19H1PT--H9C000214U1930" LED0603W 168.791,29.568 r225 top
T348 "B19H1PT--H9C000214U1930" LED0603W 168.791,27.568 r225 top
T349 "B19H1PT--H9C000214U1930" LED0603W 168.791,25.568 r225 top
T350 "B19H1PT--H9C000214U1930" LED0603W 168.791,23.568 r225 top
T351 "B19H1PT--H9C000214U1930" LED0603W 168.791,21.568 r225 top
T352 "B19H1PT--H9C000214U1930" LED0603W 168.791,19.568 r225 top
T353 "B19H1PT--H9C000214U1930" LED0603W 166.791,81.568 r225 top
T354 "B19H1PT--H9C000214U1930" LED0603W 166.791,79.568 r225 top
T355 "B19H1PT--H9C000214U1930" LED0603W 166.791,77.568 r225 top
T356 "B19H1PT--H9C000214U1930" LED0603W 166.791,75.568 r225 top
T357 "B19H1PT--H9C000214U1930" LED0603W 166.791,73.568 r225 top
T358 "B19H1PT--H9C000214U1930" LED0603W 166.791,71.568 r225 top
T359 "B19H1PT--H9C000214U1930" LED0603W 166.791,69.568 r225 top
T360 "B19H1PT--H9C000214U1930" LED0603W 166.791,67.568 r225 top
T361 "B19H1PT--H9C000214U1930" LED0603W 166.791,65.568 r225 top
T362 "B19H1PT--H9C000214U1930" LED0603W 166.791,63.568 r225 top
T363 "B19H1PT--H9C000214U1930" LED0603W 166.791,61.568 r225 top
T364 "B19H1PT--H9C000214U1930" LED0603W 166.791,59.568 r225 top
T365 "B19H1PT--H9C000214U1930" LED0603W 166.791,57.568 r225 top
T366 "B19H1PT--H9C000214U1930" LED0603W 166.791,55.568 r225 top
T367 "B19H1PT--H9C000214U1930" LED0603W 166.791,53.568 r225 top
T368 "B19H1PT--H9C000214U1930" LED0603W 166.791,51.568 r225 top
T369 "B19H1PT--H9C000214U1930" LED0603W 166.791,49.568 r225 top
T370 "B19H1PT--H9C000214U1930" LED0603W 166.791,47.568 r225 top
T371 "B19H1PT--H9C000214U1930" LED0603W 166.791,45.568 r225 top
T372 "B19H1PT--H9C000214U1930" LED0603W 166.791,43.568 r225 top
T373 "B19H1PT--H9C000214U1930" LED0603W 166.791,41.568 r225 top
T374 "B19H1PT--H9C000214U1930" LED0603W 166.791,39.568 r225 top
T375 "B19H1PT--H9C000214U1930" LED0603W 166.791,37.568 r225 top
T376 "B19H1PT--H9C000214U1930" LED0603W 166.791,35.568 r225 top
T377 "B19H1PT--H9C000214U1930" LED0603W 166.791,33.568 r225 top
T378 "B19H1PT--H9C000214U1930" LED0603W 166.791,31.568 r225 top
T379 "B19H1PT--H9C000214U1930" LED0603W 166.791,29.568 r225 top
T380 "B19H1PT--H9C000214U1930" LED0603W 166.791,27.568 r225 top
T381 "B19H1PT--H9C000214U1930" LED0603W 166.791,25.568 r225 top
T382 "B19H1PT--H9C000214U1930" LED0603W 166.791,23.568 r225 top
T383 "B19H1PT--H9C000214U1930" LED0603W 166.791,21.568 r225 top
T384 "B19H1PT--H9C000214U1930" LED0603W 166.791,19.568 r225 top
T385 "B19H1PT--H9C000214U1930" LED0603W 164.791,81.568 r225 top
T386 "B19H1PT--H9C000214U1930" LED0603W 164.791,79.568 r225 top
T387 "B19H1PT--H9C000214U1930" LED0603W 164.791,77.568 r225 top
T388 "B19H1PT--H9C000214U1930" LED0603W 164.791,75.568 r225 top
T389 "B19H1PT--H9C000214U1930" LED0603W 164.791,73.568 r225 top
T390 "B19H1PT--H9C000214U1930" LED0603W 164.791,71.568 r225 top
T391 "B19H1PT--H9C000214U1930" LED0603W 164.791,69.568 r225 top
T392 "B19H1PT--H9C000214U1930" LED0603W 164.791,67.568 r225 top
T393 "B19H1PT--H9C000214U1930" LED0603W 164.791,65.568 r225 top
T394 "B19H1PT--H9C000214U1930" LED0603W 164.791,63.568 r225 top
T395 "B19H1PT--H9C000214U1930" LED0603W 164.791,61.568 r225 top
T396 "B19H1PT--H9C000214U1930" LED0603W 164.791,59.568 r225 top
T397 "B19H1PT--H9C000214U1930" LED0603W 164.791,57.568 r225 top
T398 "B19H1PT--H9C000214U1930" LED0603W 164.791,55.568 r225 top
T399 "B19H1PT--H9C000214U1930" LED0603W 164.791,53.568 r225 top
T400 "B19H1PT--H9C000214U1930" LED0603W 164.791,51.568 r225 top
T401 "B19H1PT--H9C000214U1930" LED0603W 164.791,49.568 r225 top
T402 "B19H1PT--H9C000214U1930" LED0603W 164.791,47.568 r225 top
T403 "B19H1PT--H9C000214U1930" LED0603W 164.791,45.568 r225 top
T404 "B19H1PT--H9C000214U1930" LED0603W 164.791,43.568 r225 top
T405 "B19H1PT--H9C000214U1930" LED0603W 164.791,41.568 r225 top
T406 "B19H1PT--H9C000214U1930" LED0603W 164.791,39.568 r225 top
T407 "B19H1PT--H9C000214U1930" LED0603W 164.791,37.568 r225 top